# Altium PCB Quark.PcbDoc (part 3 of 4)
Units mm, origin at the board's own origin, x right, y up, seen from the top; angles counter-clockwise.
Board outline 22.28 x 31.66 mm, 6 copper layers (Top1, Signal2, Power4, Gnd3, Signal5, Bottom6), stack 0.861 mm thick; 123 components, 164 nets, 919 pads, 389 vias.
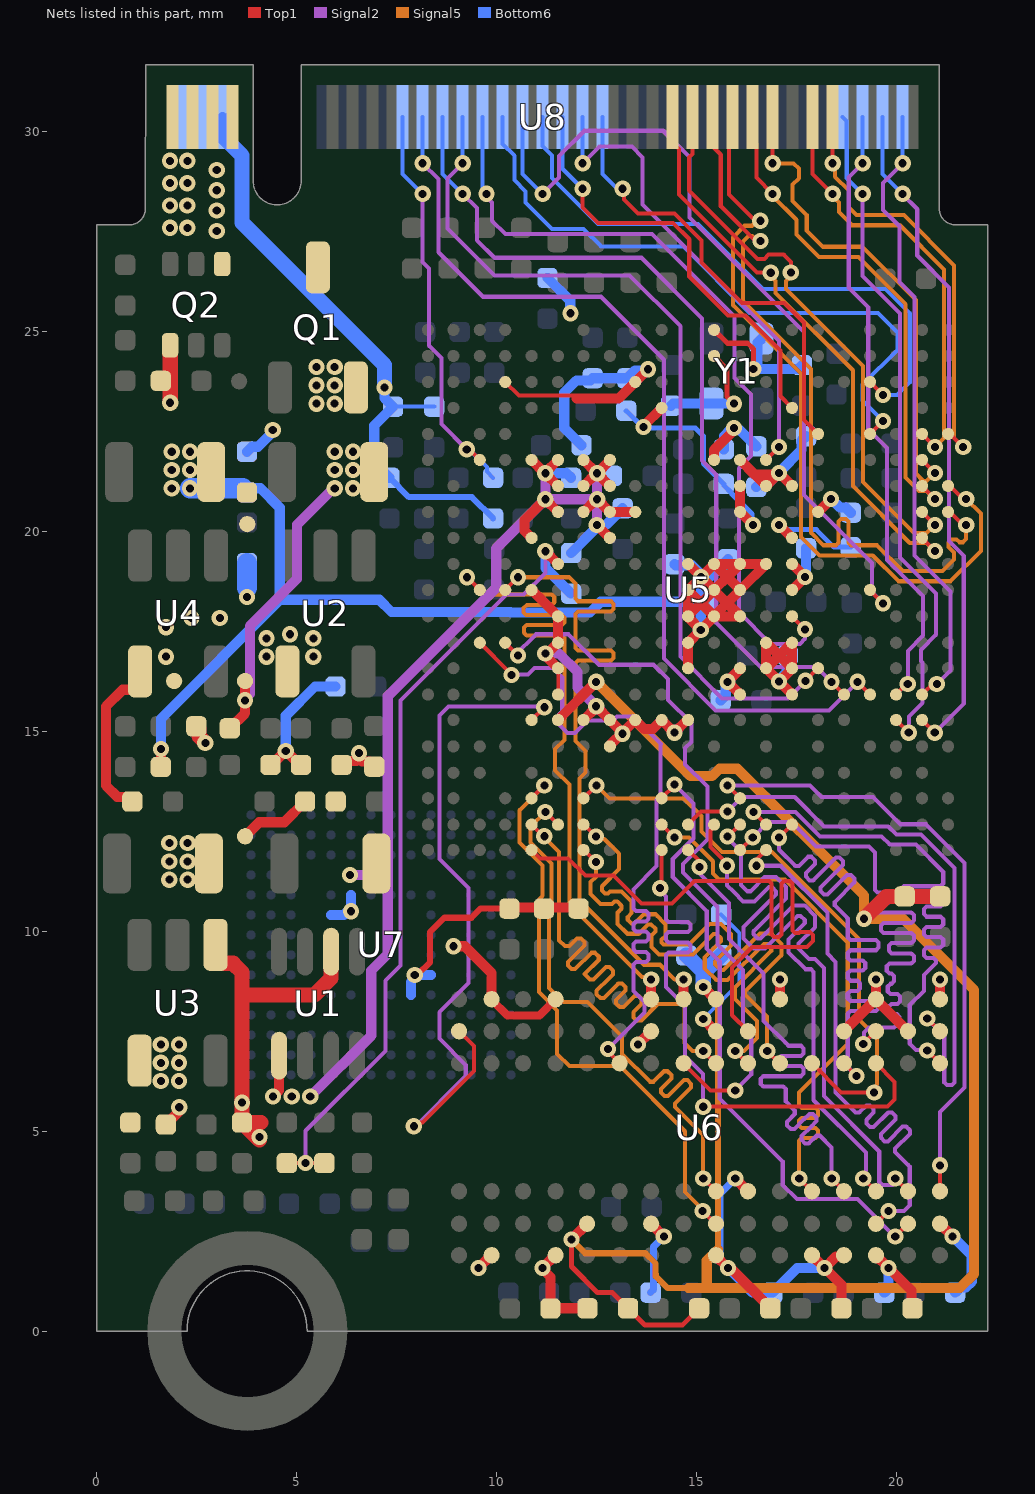
[diagram p7: the nets of this part, all layers, seen from the top]

## Via types
v1: diameter 0.406, hole 0.203, Top1 to Bottom6, tented both sides, 389 vias

## Nets (pads, with @x,y where several pads share a name; then routed paths per layer and width w, separated by ;. In a path a pad name is that pad's centre, name@x,y a point inside that pad or via, vN(x,y) a via of type N, cw(c..) or ccw(c..) an arc to the next point about the centre after c; other vN are vias at no path point) (continued)
SDQ3: U5.U21 U6.G2 | length 15.9
  Top1 w0.102: U5.U21@10.868,12.031 11.074,11.824 11.779,11.824 12.213,11.391 12.917,11.391 13.614,10.693 14.376,10.693 14.935,11.252 16.802,11.252 16.866,11.189 16.866,9.919 16.929,9.855 17.056,9.855 17.12,9.919 17.12,11.189 17.183,11.252 17.323,11.252 17.386,11.189 17.386,10.02 17.45,9.957 17.551,9.957 17.577,9.982 17.831,9.982 17.907,9.906 17.907,9.754 17.755,9.601 16.383,9.601 15.875,9.093 15.875,7.9 U6.G2@16.274,7.501
SDQ4: U5.R19 U6.E3 | length 14.7
  Top1 w0.102: U5.R19@12.163,13.326 12.171,13.326 v1(12.488,13.644) ; U6.E3@17.874,6.701 18.606,5.969 v1(19.431,5.969)
  Signal5 w0.102: v1(12.488,13.644) 12.819,13.313 14.677,13.313 14.681,13.31 15.113,12.878 15.113,12.497 15.63,11.98 16.873,11.98 19.049,9.803 19.049,7.798 19.507,7.341 19.507,6.181 19.489,6.163 19.489,6.027 v1(19.431,5.969)
SDQ5: U5.T20 U6.H7 | length 14.5
  Top1 w0.102: v1(11.211,12.983) U5.T20@11.528,12.666 ; v1(15.157,3.818) U6.H7@15.474,3.5
  Signal5 w0.102: v1(11.211,12.983) 10.842,12.615 10.842,12.221 11.367,11.697 11.367,10.757 11.303,10.693 11.303,8.585 11.659,8.23 12.268,8.23 13.132,7.366 13.132,6.934 13.828,6.238 13.918,6.238 14.18,6.5 14.27,6.5 14.36,6.41 14.36,6.32 14.097,6.058 14.097,5.969 14.187,5.879 14.277,5.879 14.675,6.276 14.765,6.276 14.854,6.187 14.854,6.097 14.457,5.699 14.457,5.609 15.157,4.909 v1(15.157,3.818)
SDQ6: U5.U19 U6.H8 | length 14.5
  Top1 w0.102: U5.U19@10.868,13.326 v1(11.185,13.644) ; v1(15.144,3.005) U6.H8@15.461,2.688
  Signal5 w0.102: v1(11.185,13.644) 10.566,13.025 10.566,12.217 11.137,11.647 11.137,10.887 11.049,10.799 11.049,8.48 11.506,8.023 11.506,6.934 11.811,6.629 13.077,6.629 14.707,5 14.707,3.48 v1@15.164,3.023
SDQ7: U5.U20 U6.H3 | length 14.3
  Top1 w0.102: U5.U20@10.868,12.666 v1@11.185,12.348 ; v1(15.157,7.005) U6.H3@15.474,6.688
  Signal5 w0.102: v1@11.185,12.348 11.557,11.977 11.557,9.77 11.701,9.627 11.812,9.627 12.007,9.821 12.097,9.821 12.187,9.732 12.187,9.642 12.104,9.56 11.776,9.232 11.776,9.142 11.866,9.052 11.956,9.052 12.366,9.462 12.456,9.462 12.546,9.372 12.546,9.283 12.189,8.926 12.327,8.788 12.411,8.788 12.724,9.102 12.815,9.103 12.905,9.013 12.905,8.923 12.802,8.821 12.495,8.513 12.495,8.423 12.585,8.334 12.674,8.334 13.034,8.693 13.124,8.693 13.213,8.603 13.213,8.513 12.981,8.281 12.981,8.191 13.071,8.101 13.161,8.101 13.441,8.382 13.555,8.382 13.614,8.322 13.614,8.179 13.411,7.976 13.411,7.849 13.487,7.772 13.614,7.772 14.021,8.179 14.63,8.179 14.694,8.115 14.694,7.2 14.89,7.005 v1(15.157,7.005)
  other v1: 11.185,12.374
SDQ8: U5.J19 U6.A7 | length 15.6
  Top1 w0.102: v1(15.762,13.644) U5.J19@16.079,13.326 ; U6.A7@21.074,3.5 v1(21.074,4.148)
  Signal2 w0.102: v1(15.762,13.644) 17.827,13.644 18.11,13.36 19.406,13.36 20.091,12.675 20.726,12.675 21.692,11.709 21.692,6.096 21.074,5.479 v1(21.074,4.148)
SDQ9: U5.H20 U6.A3 | length 15.5
  Top1 w0.102: v1(16.412,12.983) U5.H20@16.729,12.666 ; v1(20.757,7.018) U6.A3@21.074,6.701
  Signal2 w0.102: v1(16.412,12.983) 17.464,12.983 18.077,12.37 19.618,12.37 19.821,12.167 20.472,12.167 21.158,11.481 21.158,11.189 21.095,11.125 20.18,11.125 20.117,11.062 20.117,10.935 20.18,10.871 21.095,10.871 21.158,10.808 21.158,10.681 21.095,10.617 20.739,10.617 20.676,10.554 20.676,10.427 20.739,10.363 21.095,10.363 21.158,10.3 21.158,10.173 21.095,10.109 20.739,10.109 20.676,10.046 20.676,9.919 20.739,9.855 21.095,9.855 21.158,9.792 21.158,9.652 21.095,9.588 20.739,9.588 20.676,9.525 20.676,9.398 20.739,9.334 20.917,9.334 20.98,9.271 20.98,9.207 20.676,8.903 20.676,8.509 20.32,8.153 20.32,7.188 20.474,7.035 20.74,7.035 v1(20.757,7.018)
SDQ10: U5.H21 U6.C8 | length 14.9
  Top1 w0.102: v1@16.412,11.713 U5.H21@16.729,12.031 ; U6.C8@19.474,2.688 v1(19.792,3.005)
  Signal2 w0.102: v1@16.412,11.713 v1(16.488,11.637) 17.096,11.637 18.263,10.47 18.263,9.439 18.466,9.236 18.466,5.969 18.923,5.512 18.968,5.467 19.058,5.467 19.234,5.643 19.324,5.643 19.414,5.554 19.414,5.464 19.237,5.287 19.237,5.197 19.327,5.108 19.417,5.108 19.783,5.474 19.873,5.474 19.963,5.384 19.963,5.295 19.597,4.928 19.597,4.838 19.686,4.748 19.776,4.748 20.143,5.115 20.232,5.115 20.322,5.025 20.322,4.935 19.956,4.569 19.956,4.479 20.09,4.344 20.27,4.165 20.32,4.115 20.32,3.15 20.175,3.005 v1(19.792,3.005)
SDQ11: U5.J21 U6.C2 | length 15.6
  Top1 w0.102: U5.J21@16.079,12.031 v1(16.397,12.348) ; v1(19.157,7.183) U6.C2@19.474,7.501
  Signal2 w0.102: v1(16.397,12.348) 16.778,12.729 17.358,12.729 17.972,12.116 19.304,12.116 19.456,11.963 19.456,11.036 19.52,10.973 19.799,10.973 19.863,10.909 19.863,10.782 19.799,10.719 19.507,10.719 19.443,10.655 19.443,10.528 19.507,10.465 20.358,10.465 20.422,10.401 20.422,10.274 20.358,10.211 19.661,10.211 19.597,10.147 19.597,10.02 19.661,9.957 20.358,9.957 20.422,9.893 20.422,9.766 20.358,9.703 19.861,9.703 19.797,9.639 19.797,9.512 19.861,9.449 20.358,9.449 20.422,9.385 20.422,9.258 20.358,9.195 19.81,9.195 19.746,9.131 19.746,9.004 19.81,8.941 19.868,8.941 19.931,8.877 19.931,8.75 19.868,8.687 19.834,8.687 19.771,8.623 19.771,8.496 19.834,8.433 20.019,8.433 20.082,8.369 20.082,8.242 20.019,8.179 19.861,8.179 19.797,8.115 19.797,7.988 19.861,7.925 20.003,7.925 20.066,7.861 20.066,7.734 19.926,7.595 19.304,7.595 19.174,7.465 19.174,7.201 v1(19.157,7.183)
SDQ12: U5.L20 U6.A2 | length 15.6
  Top1 w0.102: U5.L20@14.779,12.666 15.106,12.992 v1(15.762,12.992) ; v1(20.757,7.818) U6.A2@21.074,7.501
  Signal2 w0.102: v1(15.762,12.992) 16.13,13.36 17.446,13.36 18.182,12.624 19.783,12.624 19.986,12.421 20.599,12.421 21.438,11.582 21.438,6.223 21.374,6.159 21.247,6.159 21.184,6.223 21.184,7.391 v1(20.757,7.818)
SDQ13: U5.L21 U6.D7 | length 14.9
  Top1 w0.102: U5.L21@14.779,12.031 v1@15.097,11.713 ; v1(18.37,3.818) U6.D7@18.687,3.5
  Signal2 w0.102: v1(15.062,11.608) 15.062,11.441 15.799,10.704 15.799,9.81 16.662,8.947 16.662,8.026 16.662,7.76 17.221,7.201 17.285,7.137 17.602,7.137 17.666,7.074 17.666,6.947 17.602,6.883 17.109,6.883 17.045,6.82 17.045,6.693 17.109,6.629 17.602,6.629 17.666,6.566 17.666,6.439 17.602,6.375 16.659,6.375 16.595,6.312 16.595,6.185 16.659,6.121 17.158,6.121 17.221,6.058 17.221,5.74 17.446,5.516 17.446,5.426 17.257,5.237 17.257,5.147 17.346,5.057 17.436,5.057 17.67,5.291 17.812,5.433 17.902,5.433 17.992,5.344 17.992,5.254 17.85,5.112 17.616,4.878 17.616,4.788 17.706,4.698 17.795,4.698 17.985,4.887 18.074,4.887 18.37,4.592 v1(18.37,3.818)
SDQ14: U5.M21 U6.C3 | length 14.9
  Top1 w0.102: v1(14.081,11.078) 14.119,11.116 U5.M21@14.119,12.031 ; v1@15.265,5.613 19.761,5.613 19.939,5.791 19.939,6.236 U6.C3@19.474,6.701
  Signal2 w0.102: v1(14.081,11.078) 14.081,11.009 14.224,10.866 14.224,10.295 14.287,10.231 14.775,10.231 14.839,10.168 14.839,10.041 14.775,9.977 14.287,9.977 14.224,9.914 14.224,9.787 14.287,9.723 14.775,9.723 14.839,9.66 14.839,9.533 14.775,9.469 14.287,9.469 14.224,9.406 14.224,8.611 14.707,8.128 14.707,6.883 15.157,6.433 v1(15.157,5.613)
SDQ15: U5.M19 U6.B8 | length 15.8
  Top1 w0.102: U5.M19@14.119,13.326 v1@14.436,13.644 ; v1(19.957,2.37) U6.B8@20.274,2.688
  Signal2 w0.102: v1@14.462,13.644 14.91,13.196 14.91,12.319 14.783,12.192 14.395,11.805 14.395,11.361 15.245,10.511 15.245,9.571 15.57,9.246 15.57,5.817 17.145,4.242 17.145,3.658 17.501,3.302 19.01,3.302 19.942,2.37 v1(19.957,2.37)
  other v1: 14.436,13.669
SDQM0: U5.M20 U6.E7 | length 14.5
  Top1 w0.102: U5.M20@14.119,12.666 v1(14.436,12.348) ; v1(17.557,3.818) U6.E7@17.874,3.5
  Signal5 w0.102: v1(14.436,12.348) 14.807,12.348 15.405,11.75 15.405,11.44 15.556,11.289 17.204,11.289 18.77,9.723 18.77,7.177 17.557,5.964 17.557,5.651 17.62,5.588 17.963,5.588 18.026,5.524 18.026,5.397 17.963,5.334 17.62,5.334 17.557,5.27 17.557,5.143 17.62,5.08 17.963,5.08 18.026,5.016 18.026,4.889 17.963,4.826 17.62,4.826 17.557,4.762 17.557,4.572 17.557,4.445 v1(17.557,3.818)
SDQM1: U5.G20 U6.D3 | length 15.6
  Top1 w0.102: v1(17.054,12.341) U5.G20@17.379,12.666 ; U6.D3@18.674,6.701 v1(18.992,6.383)
  Signal2 w0.102: v1(17.054,12.341) 17.054,12.037 17.458,11.633 17.548,11.633 17.777,11.862 17.867,11.862 17.956,11.772 17.956,11.682 17.728,11.454 17.728,11.364 17.818,11.274 17.908,11.274 18.474,11.841 18.564,11.841 18.654,11.751 18.654,11.661 18.087,11.095 18.087,11.005 18.177,10.915 18.267,10.915 18.757,11.405 18.847,11.405 18.936,11.315 18.936,11.225 18.446,10.735 18.446,10.646 18.712,10.38 18.771,10.321 18.771,9.842 18.834,9.779 19.48,9.779 19.543,9.715 19.543,9.588 19.48,9.525 18.834,9.525 18.771,9.461 18.771,9.334 18.834,9.271 19.145,9.271 19.209,9.207 19.209,9.08 19.145,9.017 18.834,9.017 18.771,8.953 18.771,8.826 18.834,8.763 19.016,8.763 19.079,8.699 19.079,8.572 19.016,8.509 18.834,8.509 18.771,8.445 18.771,8.318 18.834,8.255 19.48,8.255 19.543,8.191 19.543,8.064 19.48,8.001 18.834,8.001 18.771,7.937 18.771,6.604 v1(18.992,6.383)
SDQS0_N: U5.R21 U6.G3 | length 14.3
  Top1 w0.102: U5.R21@12.178,12.031 v1(12.476,11.734) ; v1(15.957,7.005) U6.G3@16.274,6.688
  Signal5 w0.102: 12.344,11.201 12.344,10.936 12.594,10.687 12.878,10.687 12.935,10.743 13.009,10.743 13.114,10.637 13.114,10.563 ; 12.344,11.227 12.476,11.358 v1@12.476,11.759 ; 13.038,10.487 13.114,10.563 ; 13.884,9.915 13.96,9.992 ; 15.216,9.37 15.597,9.751 15.597,9.825 15.492,9.93 15.417,9.93 14.904,9.417 14.057,9.417 13.863,9.61 13.863,9.895 13.96,9.992 ; 15.576,9.73 15.195,9.349 15.195,9.064 15.484,8.776 15.768,8.776 16.678,9.685 16.752,9.685 16.858,9.58 16.858,9.506 15.948,8.596 15.948,8.311 16.5,7.759 16.5,7.331 16.175,7.005 v1(15.957,7.005) ; 13.114,10.563 13.017,10.466 13.017,10.182 13.262,9.937 13.546,9.937 13.78,10.171 13.855,10.171 13.96,10.066 13.96,9.992
SDQS0_P: U5.R20 U6.F3 | length 14.3
  Top1 w0.102: U5.R20@12.163,12.666 12.178,12.666 v1(12.476,12.369) ; v1(16.757,7.005) U6.F3@17.074,6.688
  Signal5 w0.102: v1(12.476,12.369) 12.534,12.31 12.683,12.31 13.056,11.938 13.056,11.557 12.624,11.125 12.624,11.015 12.699,10.941 12.773,10.941 12.829,10.997 13.114,10.997 13.151,10.959 13.331,10.78 13.368,10.743 13.368,10.458 13.271,10.361 13.271,10.287 13.367,10.191 13.441,10.191 13.675,10.425 13.96,10.425 13.997,10.388 14.177,10.208 14.214,10.171 14.214,9.886 14.117,9.79 14.117,9.715 14.162,9.671 14.799,9.671 15.312,10.184 15.597,10.184 15.851,9.93 15.851,9.645 15.449,9.244 15.449,9.169 15.589,9.03 15.663,9.03 16.573,9.939 16.858,9.939 17.112,9.685 17.112,9.4 16.202,8.491 16.202,8.417 16.754,7.864 16.754,7.008 v1(16.757,7.005)
SDQS1_N: U5.J20 U6.B7 | length 15.5
  Top1 w0.102: v1@15.754,12.341 U5.J20@16.079,12.666 ; v1(19.957,3.818) U6.B7@20.274,3.5
  Signal2 w0.102: v1@15.754,12.341 16.104,11.991 16.104,11.157 16.261,10.999 16.335,10.999 16.693,11.357 16.978,11.357 17.232,11.103 17.232,10.818 16.413,10 16.413,9.925 16.519,9.82 16.593,9.82 17.411,10.638 17.696,10.638 17.95,10.384 17.95,10.1 17.542,9.691 17.542,9.617 17.542,9.566 17.797,9.311 17.949,9.311 18.174,9.087 18.174,5.88 19.558,4.496 19.558,3.734 19.634,3.658 19.888,3.658 19.957,3.726 v1(19.957,3.818)
  other v1: 15.762,12.366
SDQS1_P: U5.K20 U6.C7 | length 14.8
  Top1 w0.102: U5.K20@15.429,12.666 15.429,12.611 15.342,12.523 15.342,12.103 v1@15.754,11.691 ; v1(19.157,3.818) U6.C7@19.474,3.5
  Signal2 w0.102: v1@15.754,11.691 v1(15.754,11.637) 15.754,11.147 15.924,10.977 16.156,10.745 16.441,10.745 16.798,11.103 16.872,11.103 16.978,10.998 16.978,10.923 16.159,10.105 16.159,9.82 16.413,9.566 16.698,9.566 17.516,10.384 17.591,10.384 17.696,10.279 17.696,10.205 17.339,9.847 17.288,9.797 17.288,9.474 17.711,9.051 17.85,9.051 17.92,8.981 17.92,5.775 19.228,4.467 19.228,3.971 19.157,3.9 v1(19.157,3.818)
SODT0: U5.W11 U6.K1 | length 17.6
  Top1 w0.102: v1(9.255,18.851) U5.W11@9.572,18.533
  Top1 w0.254: U6.K1@13.855,8.301 v1(13.855,8.796)
  Signal5 w0.102: v1(9.255,18.851) 9.691,18.415 11.37,18.415 11.434,18.351 11.434,18.224 11.37,18.161 10.753,18.161 10.669,18.076 10.669,17.967 10.728,17.907 11.62,17.907 11.684,17.843 11.684,17.716 11.62,17.653 10.745,17.653 10.681,17.589 10.681,17.462 10.745,17.399 11.62,17.399 11.684,17.335 11.684,14.783 11.455,14.554 11.455,14.021 11.811,13.665 11.811,10.67 13.627,8.854 13.797,8.854 v1(13.855,8.796)
SODT1: U5.V11 U6.J1 | length 17.5
  Top1 w0.102: U5.V11@10.207,18.533 v1(10.525,18.851)
  Top1 w0.254: U6.J1@14.668,8.301 v1(14.668,8.796)
  Signal5 w0.102: v1(10.525,18.851) 11.807,18.851 11.963,18.694 11.963,18.313 12.027,18.25 12.852,18.25 12.915,18.186 12.915,18.059 12.852,17.996 12.027,17.996 11.963,17.932 11.963,17.081 12.027,17.018 12.852,17.018 12.915,16.954 12.915,16.827 12.852,16.764 12.027,16.764 11.963,16.7 11.963,14.757 12.217,14.503 12.217,13.97 12.065,13.818 12.065,10.775 13.677,9.163 14.078,9.163 14.445,8.796 v1(14.668,8.796)
SPI0_CLK: U5.B16 U8.72 | length 17
  Top1 w0.102: U5.B16@20.629,15.282 v1(20.947,14.964)
  Signal2 w0.102: v1(20.144,28.435) 20.144,28.415 20.508,28.051 20.508,26.888 21.306,26.091 21.306,19.751 21.671,19.385 21.671,15.689 v1(20.947,14.964)
  Bottom6 w0.102: U8.72@19.644,30.356 19.644,28.935 v1(20.144,28.435)
SPI0_CS: U5.B15 U8.74 | length 15.7
  Top1 w0.102: U5.B15@20.629,15.917 v1@20.947,16.234
  Signal2 w0.102: v1(20.144,29.199) 19.654,28.71 19.654,28.037 20.066,27.625 20.066,26.228 20.442,25.852 20.442,19.39 21.336,18.496 21.336,16.522 v1(20.998,16.184)
  Bottom6 w0.102: v1(20.144,29.199) U8.74@20.144,30.356
SPI0_MISO: U5.C16 U8.68 | length 17.1
  Top1 w0.102: U5.C16@19.979,15.282 v1(20.297,14.964)
  Signal2 w0.102: v1(19.144,28.435) 19.144,26.378 20.076,25.446 20.076,19.345 20.98,18.44 20.98,17.413 20.604,17.037 20.604,16.753 20.64,16.717 20.64,15.712 20.297,15.369 v1(20.297,14.964)
  Bottom6 w0.102: U8.68@18.644,30.356 18.743,30.257 18.743,29.55 18.745,29.548 18.745,28.834 v1(19.144,28.435)
SPI0_MOSI: U5.C15 U8.70 | length 15.7
  Top1 w0.102: U5.C15@19.979,15.917 v1@20.297,16.234
  Signal2 w0.102: v1(19.144,29.199) 18.796,28.852 18.796,26.081 19.284,25.593 19.284,22.545 19.751,22.078 19.751,19.284 20.655,18.38 20.655,17.388 20.271,17.004 v1(20.271,16.184)
  Bottom6 w0.102: v1(19.144,29.199) U8.70@19.144,30.356
SRAS: U5.V13 U6.J3 | length 18.5
  Top1 w0.102: U5.V13@10.207,17.212 v1(10.525,16.895) ; U6.J3@14.656,6.706 15.342,6.02 v1(15.957,6.02)
  Signal2 w0.102: v1@10.439,16.891 10.973,17.424 11.786,17.424 12.548,16.662 13.919,16.662 14.275,16.307 14.275,15.787 14.859,15.202 14.859,14.732 14.707,14.58 14.707,14.173 15.265,13.614 15.265,12.296 14.649,11.68 14.649,11.466 15.512,10.604 15.512,9.67 16.154,9.028 16.154,7.569 16.358,7.366 16.358,6.421 v1(15.957,6.02)
SRST: U5.U16 U6.T2 | length 17.9
  Top1 w0.102: v1@8.094,5.214 8.135,5.214 9.423,6.502 9.423,7.132 U6.T2@9.054,7.501 ; U5.U16@10.868,15.282 v1(11.185,15.599)
  Signal2 w0.102: v1@7.924,5.08 9.22,6.377 9.22,6.655 8.56,7.315 8.56,7.976 9.288,8.704 9.288,11.083 8.56,11.811 8.56,15.392 8.788,15.621 11.164,15.621 v1(11.185,15.599)
  other v1: 7.924,5.126
SVREF: C21.2 C22.2 C23.1 C24.2 R17.1 R19.2 U5.T16 U6.H1 U6.M8 | length 49.7
  Top1 w0.127: v1(11.862,2.294) 11.862,1.617 12.514,0.965 12.888,0.965 R17.1@13.279,0.574 13.701,0.152 14.635,0.152 R19.2@15.057,0.574
  Top1 w0.254: U5.T16@11.528,15.282 v1(12.481,16.234) ; v1(11.862,2.294) U6.M8@12.255,2.688 ; v1(15.157,8.605) U6.H1@15.474,8.288
  Top1 w0.381: v1(19.177,10.312) 19.736,10.871 C22.2@20.193,10.871 C21.2@21.082,10.871
  Signal5 w0.152: v1(11.862,2.294) 12.205,1.951 13.712,1.951 13.969,1.693 13.969,1.43 ; 13.97,1.429 13.97,1.372 14.26,1.082 14.786,1.082 ; 15.525,2.045 15.525,8.237
  Signal5 w0.254: v1(12.481,16.234) 14.838,13.877 15.378,13.877 15.564,14.063 16.011,14.063 19.177,10.897 v1(19.177,10.312) 20.15,10.312 21.93,8.532 21.93,1.438 21.575,1.082 15.245,1.082 ; 14.786,1.082 15.245,1.082 ; v1(15.157,8.605) 15.525,8.237 ; 15.525,2.045 15.245,1.765 15.245,1.082
  Bottom6 w0.381: C24.2@14.736,9.398 14.856,9.278 14.868,9.278 15.157,8.989 15.157,8.949 ; v1(15.157,8.605) 15.157,8.949 ; C23.1@15.606,9.398 15.157,8.949
SWE: U5.W13 U6.L3 | length 17.6
  Top1 w0.102: U5.W13@9.572,17.212 10.3,16.485 v1@10.338,16.485 ; v1@12.649,7.119 U6.L3@13.068,6.701
  Signal2 w0.102: v1@10.338,16.485 v1@10.363,16.485 ; v1(10.363,16.408) 10.373,16.419 10.78,16.419 10.939,16.577 11.396,16.577 11.633,16.34 11.633,15.494 11.557,15.418 11.557,15.164 11.769,14.952 11.955,14.952 12.268,15.265 12.903,15.265 13.005,15.367 13.411,15.367 14.097,14.681 14.094,14.678 14.094,13.382 13.992,13.281 13.992,11.63 13.411,11.049 13.411,10.566 13.475,10.502 13.722,10.502 13.786,10.439 13.786,10.312 13.722,10.248 13.475,10.248 13.411,10.185 13.411,10.058 13.475,9.994 13.722,9.994 13.786,9.931 13.786,9.804 13.722,9.74 13.475,9.74 13.411,9.677 13.411,9.55 13.475,9.486 13.722,9.486 13.786,9.423 13.786,9.296 13.722,9.232 13.475,9.232 13.411,9.169 13.411,8.509 13.691,8.23 13.691,7.972 v1(12.776,7.056)
UART0_RX: U5.H6 U8.42 | length 12.1
  Top1 w0.102: U5.H6@16.729,21.783 v1(17.054,22.108)
  Signal2 w0.102: v1(12.144,29.199) 12.561,29.616 13.372,29.616 13.645,29.344 13.645,28.164 17.054,24.754 v1(17.054,22.108)
  Bottom6 w0.102: v1(12.144,29.199) U8.42@12.144,30.356
UART0_TX: U5.F5 U8.44 | length 11.4
  Top1 w0.102: v1(13.144,28.562) 13.172,28.534 13.172,28.291 13.523,27.94 14.438,27.94 15.113,27.265 15.113,26.716 16.124,25.705 17.181,25.705 17.678,25.207 17.678,22.784 U5.F5@18.029,22.433
  Bottom6 w0.102: U8.44@12.644,30.356 12.644,28.935 v1@13.144,28.435
UART1_RX: U5.D3 U8.38 | length 14.9
  Top1 w0.102: U5.D3@19.329,23.733 v1(19.654,23.408)
  Bottom6 w0.102: U8.38@11.144,30.356 11.144,29.634 11.379,29.398 11.379,28.829 12.532,27.676 15.032,27.676 16.647,26.06 19.71,26.06 20.32,25.451 20.32,23.724 20.004,23.408 v1(19.654,23.408)
UART1_TX: U5.G4 U8.40 | length 10.9
  Top1 w0.102: v1@12.144,28.435 12.144,28.09 12.522,27.711 14.397,27.711 14.808,27.301 14.808,26.365 15.778,25.395 16.21,25.395 17.087,24.518 17.087,23.375 U5.G4@17.379,23.083
  Bottom6 w0.102: U8.40@11.644,30.356 11.644,29.062 v1(12.144,28.562)
UART2_RX: U5.D5 U8.34 | length 16.3
  Top1 w0.102: U5.D5@19.329,22.433 v1(19.654,22.758)
  Bottom6 w0.102: U8.34@10.144,30.356 10.144,29.684 10.439,29.388 10.439,28.778 10.719,28.499 10.719,28.219 11.379,27.559 12.167,27.559 12.609,27.117 14.661,27.117 16.317,25.461 19.528,25.461 20.015,24.973 20.015,24.536 19.144,23.665 19.144,23.269 v1(19.654,22.758)
UART2_TX: U5.D11 U8.36 | length 20.7
  Top1 w0.102: U5.D11@19.329,18.533 19.329,18.523 v1(19.654,18.198)
  Signal2 w0.102: v1(11.144,28.435) 11.557,28.849 11.557,29.378 12.192,30.013 14.158,30.013 14.813,29.357 14.813,27.849 17.678,24.983 17.678,20.904 19.375,19.207 19.375,18.477 v1(19.654,18.198)
  Bottom6 w0.102: U8.36@10.644,30.356 10.644,28.935 v1(11.144,28.435)
UART3_CTS: U5.D15 U8.26 | length 23.9
  Top1 w0.102: v1(19.012,16.234) U5.D15@19.329,15.917
  Signal2 w0.102: v1(8.144,29.199) 8.534,28.808 8.534,26.975 9.647,25.862 12.598,25.862 14.173,24.287 14.173,16.815 15.469,15.519 18.297,15.519 v1(19.012,16.234)
  Bottom6 w0.102: v1(8.144,29.199) U8.26@8.144,30.356
UART3_RTS: U5.F14 U8.30 | length 22.2
  Top1 w0.102: v1(17.712,16.26) U5.F14@18.029,16.577
  Signal2 w0.102: v1(9.144,29.199) 8.763,28.819 8.763,27.564 9.936,26.391 13.32,26.391 14.585,25.126 14.585,16.864 15.625,15.824 17.276,15.824 v1(17.712,16.26)
  Bottom6 w0.102: v1(9.144,29.199) U8.30@9.144,30.356
UART3_RX: U5.G12 U8.32 | length 20.2
  Top1 w0.102: U5.G12@17.379,17.873 v1(17.704,17.548)
  Signal2 w0.102: v1(9.737,28.435) 9.737,28.367 9.881,28.223 9.881,27.762 10.211,27.432 13.878,27.432 15.936,25.374 15.936,23.83 16.353,23.414 16.353,21.88 16.048,21.575 16.048,17.978 16.845,17.181 17.572,17.181 17.704,17.313 v1(17.704,17.548)
  Bottom6 w0.102: U8.32@9.644,30.356 9.644,28.611 9.737,28.518 v1(9.737,28.435)
UART3_TX: U5.E15 U8.28 | length 21.6
  Top1 w0.102: v1(18.362,16.234) U5.E15@18.679,15.917
  Signal2 w0.102: v1(9.144,28.435) 9.5,28.079 9.5,27.275 9.936,26.838 13.609,26.838 15.128,25.319 15.128,21.768 15.484,21.412 15.484,17.709 16.586,16.607 17.99,16.607 v1(18.362,16.234)
  Bottom6 w0.102: U8.28@8.644,30.356 8.644,28.935 v1(9.144,28.435)
UBOOT: R22.1 U5.W6 U8.24 | length 10.4
  Top1 w0.102: v1(9.246,22.047) 9.308,22.047 U5.W6@9.572,21.783
  Signal2 w0.102: v1(8.144,28.435) 8.144,26.731 8.306,26.568 8.306,24.638 8.611,24.333 8.611,22.682 v1(9.246,22.047)
  Bottom6 w0.102: U8.24@7.644,30.356 7.644,28.935 v1(8.144,28.435) ; v1(9.246,22.047) 9.308,22.047 9.75,21.606 9.75,21.492 R22.1@9.906,21.336
USB-DM0: U5.B5 U8.65 | length 10.9
  Top1 w0.102: U8.65@17.894,30.356 17.894,28.935 v1(18.394,28.435) ; U5.B5@20.629,22.433 v1(20.954,22.108)
  Signal5 w0.102: v1(18.394,28.435) 18.394,28.376 18.547,28.223 18.547,27.986 18.882,27.65 20.071,27.65 21.178,26.543 21.178,22.331 v1(20.954,22.108)
USB-DM1: U5.B7 U8.59 | length 12.6
  Top1 w0.102: U8.59@16.394,30.356 16.394,29.758 16.486,29.665 16.486,28.842 v1(16.894,28.435) ; U5.B7@20.629,21.133 v1(20.954,20.808)
  Signal5 w0.102: v1(16.894,28.435) 16.894,28.385 17.491,27.788 17.491,27.416 18.049,26.858 19.036,26.858 20.218,25.676 20.218,21.341 20.553,21.006 20.743,21.006 20.941,20.808 v1(20.954,20.808)
USB-DM2: U5.A8 U8.55 | length 19.4
  Top1 w0.102: U8.55@15.394,30.356 15.394,29.615 15.596,29.413 15.596,28.126 v1@16.59,27.132 ; U5.A8@21.33,20.483 v1@21.655,20.158
  Signal5 w0.102: v1@16.672,27.259 v1(16.59,27.259) 16.507,27.259 16.382,27.383 16.294,27.383 16.154,27.244 16.154,25.756 17.856,24.054 17.856,19.963 18.17,19.649 18.476,19.649 18.539,19.713 18.539,20.244 18.603,20.307 18.73,20.307 18.793,20.244 18.793,19.713 18.857,19.649 19.501,19.649 20.146,19.004 21.138,19.004 21.425,19.291 21.425,19.474 21.29,19.609 21.29,19.726 21.361,19.797 21.488,19.797 21.56,19.726 21.65,19.726 21.731,19.807 v1(21.731,20.158)
USB-DM3: U5.B9 U8.51 | length 14.5
  Top1 w0.102: U8.51@14.394,30.356 14.394,29.706 14.547,29.553 14.547,28.417 16.5,26.463 v1(16.845,26.463) ; U5.B9@20.629,19.833 v1(20.954,19.508)
  Signal5 w0.102: v1(16.845,26.463) 16.845,26.381 16.969,26.256 16.969,25.953 18.898,24.025 18.898,21.129 20.321,19.706 20.743,19.706 20.941,19.508 v1(20.954,19.508)
USB-DP0: U5.A5 U8.67 | length 10.8
  Top1 w0.102: v1(18.394,29.199) U8.67@18.394,30.356 ; U5.A5@21.33,22.433 v1(21.655,22.108)
  Signal5 w0.102: v1(18.394,29.199) 18.452,29.141 18.452,28.862 18.801,28.513 18.801,28.091 18.988,27.904 20.176,27.904 21.432,26.648 21.432,22.331 v1(21.655,22.108)
USB-DP1: U5.B6 U8.61 | length 12.5
  Top1 w0.102: v1(16.894,29.199) U8.61@16.894,30.356 ; U5.B6@20.629,21.783 v1(20.954,21.458)
  Signal5 w0.102: v1@16.894,29.17 v1(16.894,29.199) 17.415,29.199 17.549,29.065 17.549,28.825 17.394,28.67 17.394,28.26 17.745,27.909 17.745,27.521 18.155,27.112 19.141,27.112 20.472,25.781 20.472,21.446 20.658,21.26 20.743,21.26 20.941,21.458 v1(20.954,21.458)